# Altium PCB TEST-MODULE.PcbDoc
Units mm, origin at the board's own origin, x right, y up, seen from the top; angles counter-clockwise.
Board outline 70 x 70 mm, 2 copper layers (Top Layer, Bottom Layer), stack 1.571 mm thick; 37 components, 24 nets, 136 pads, 9 vias.
Unrouted connection lines stored in the file: 1.
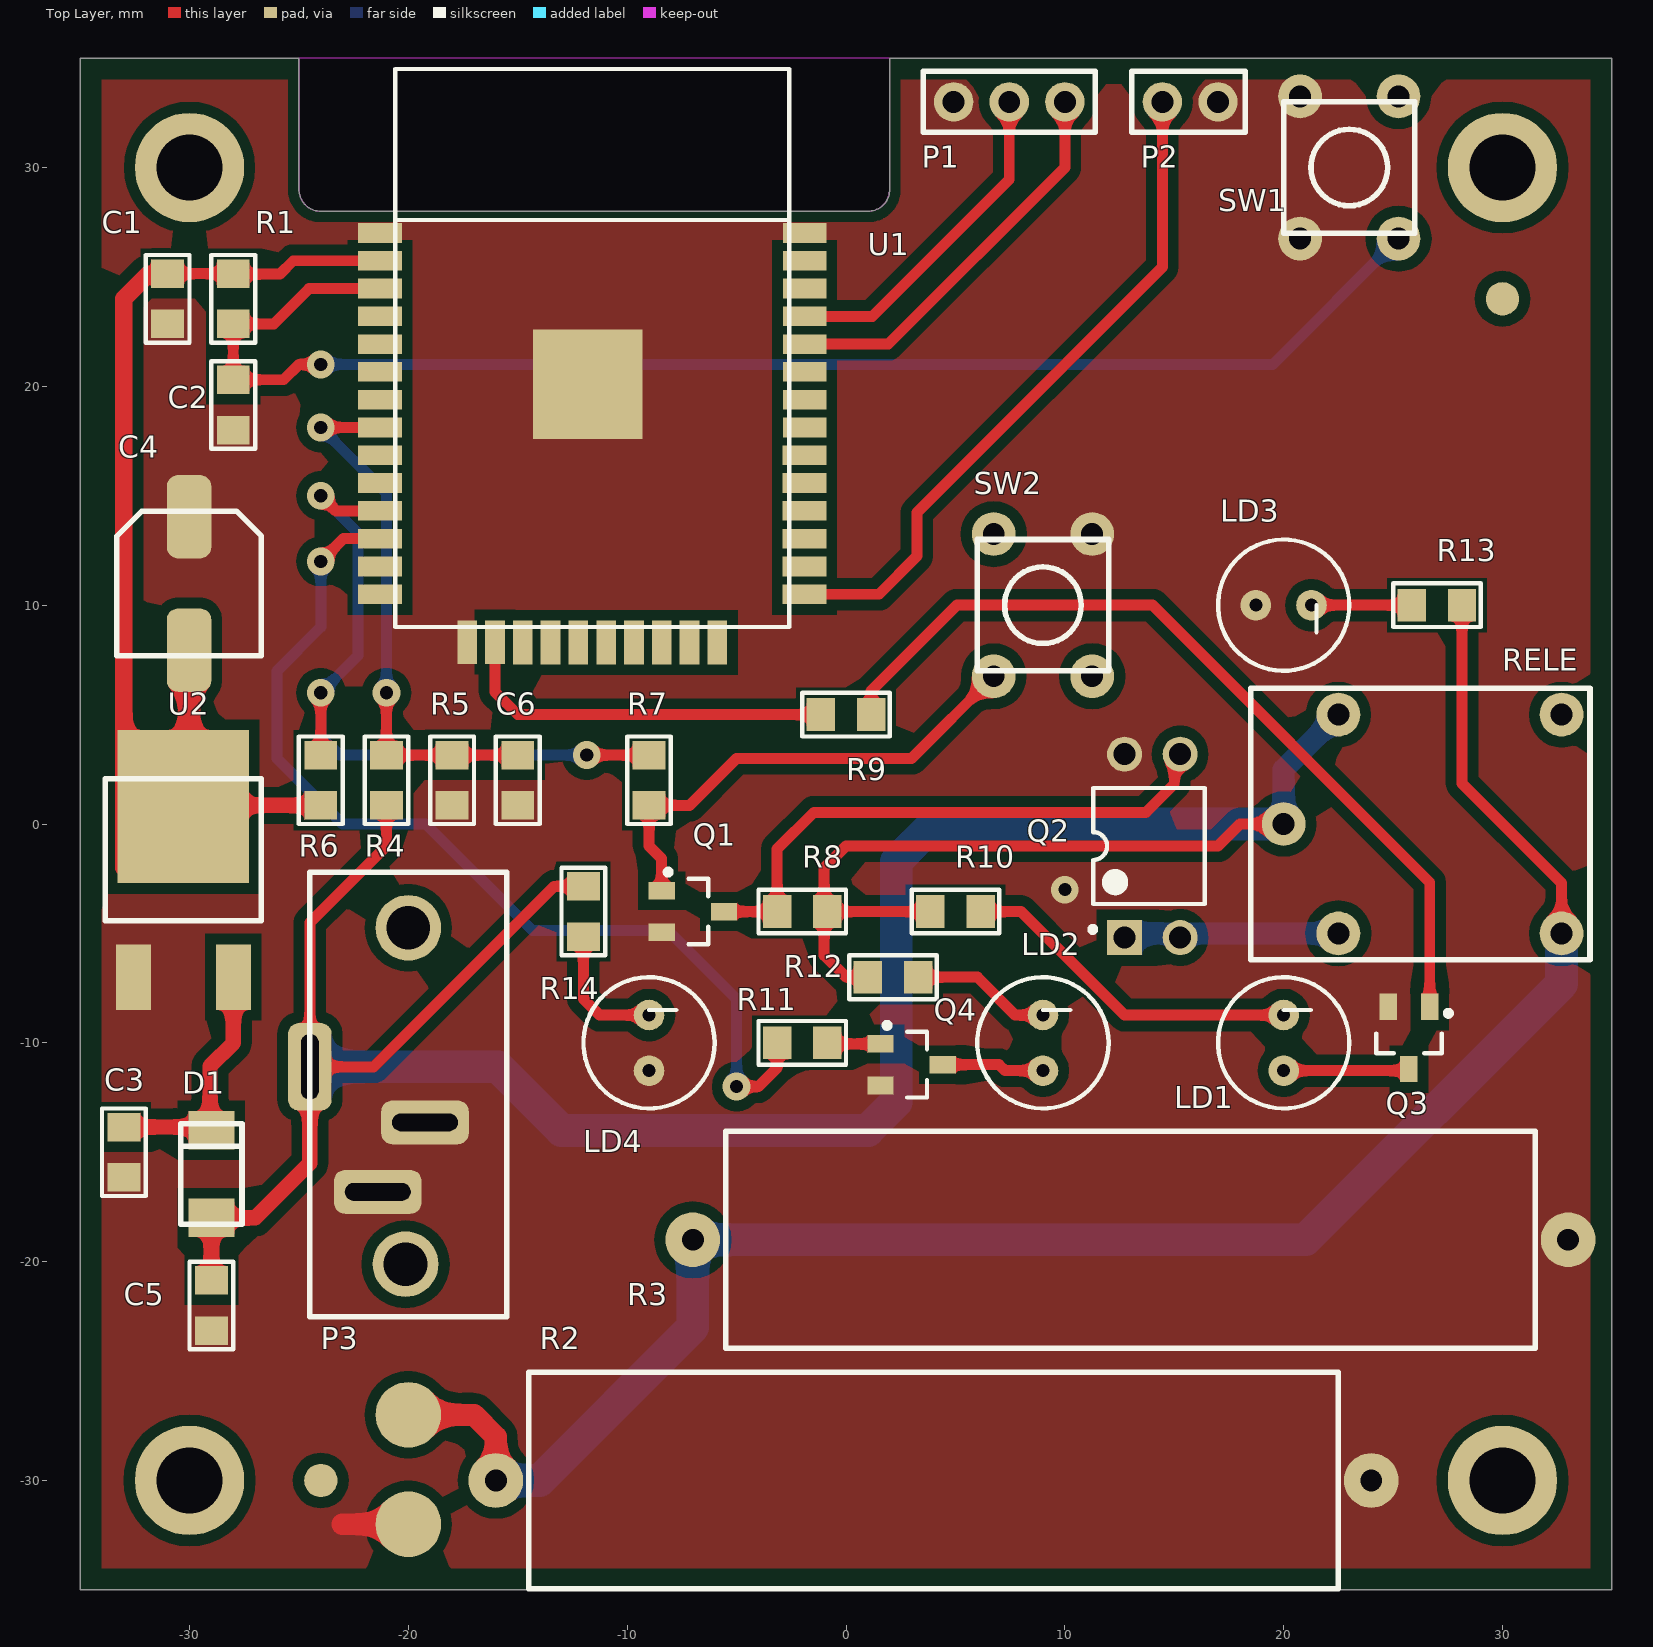
[diagram p0: Top Layer view]
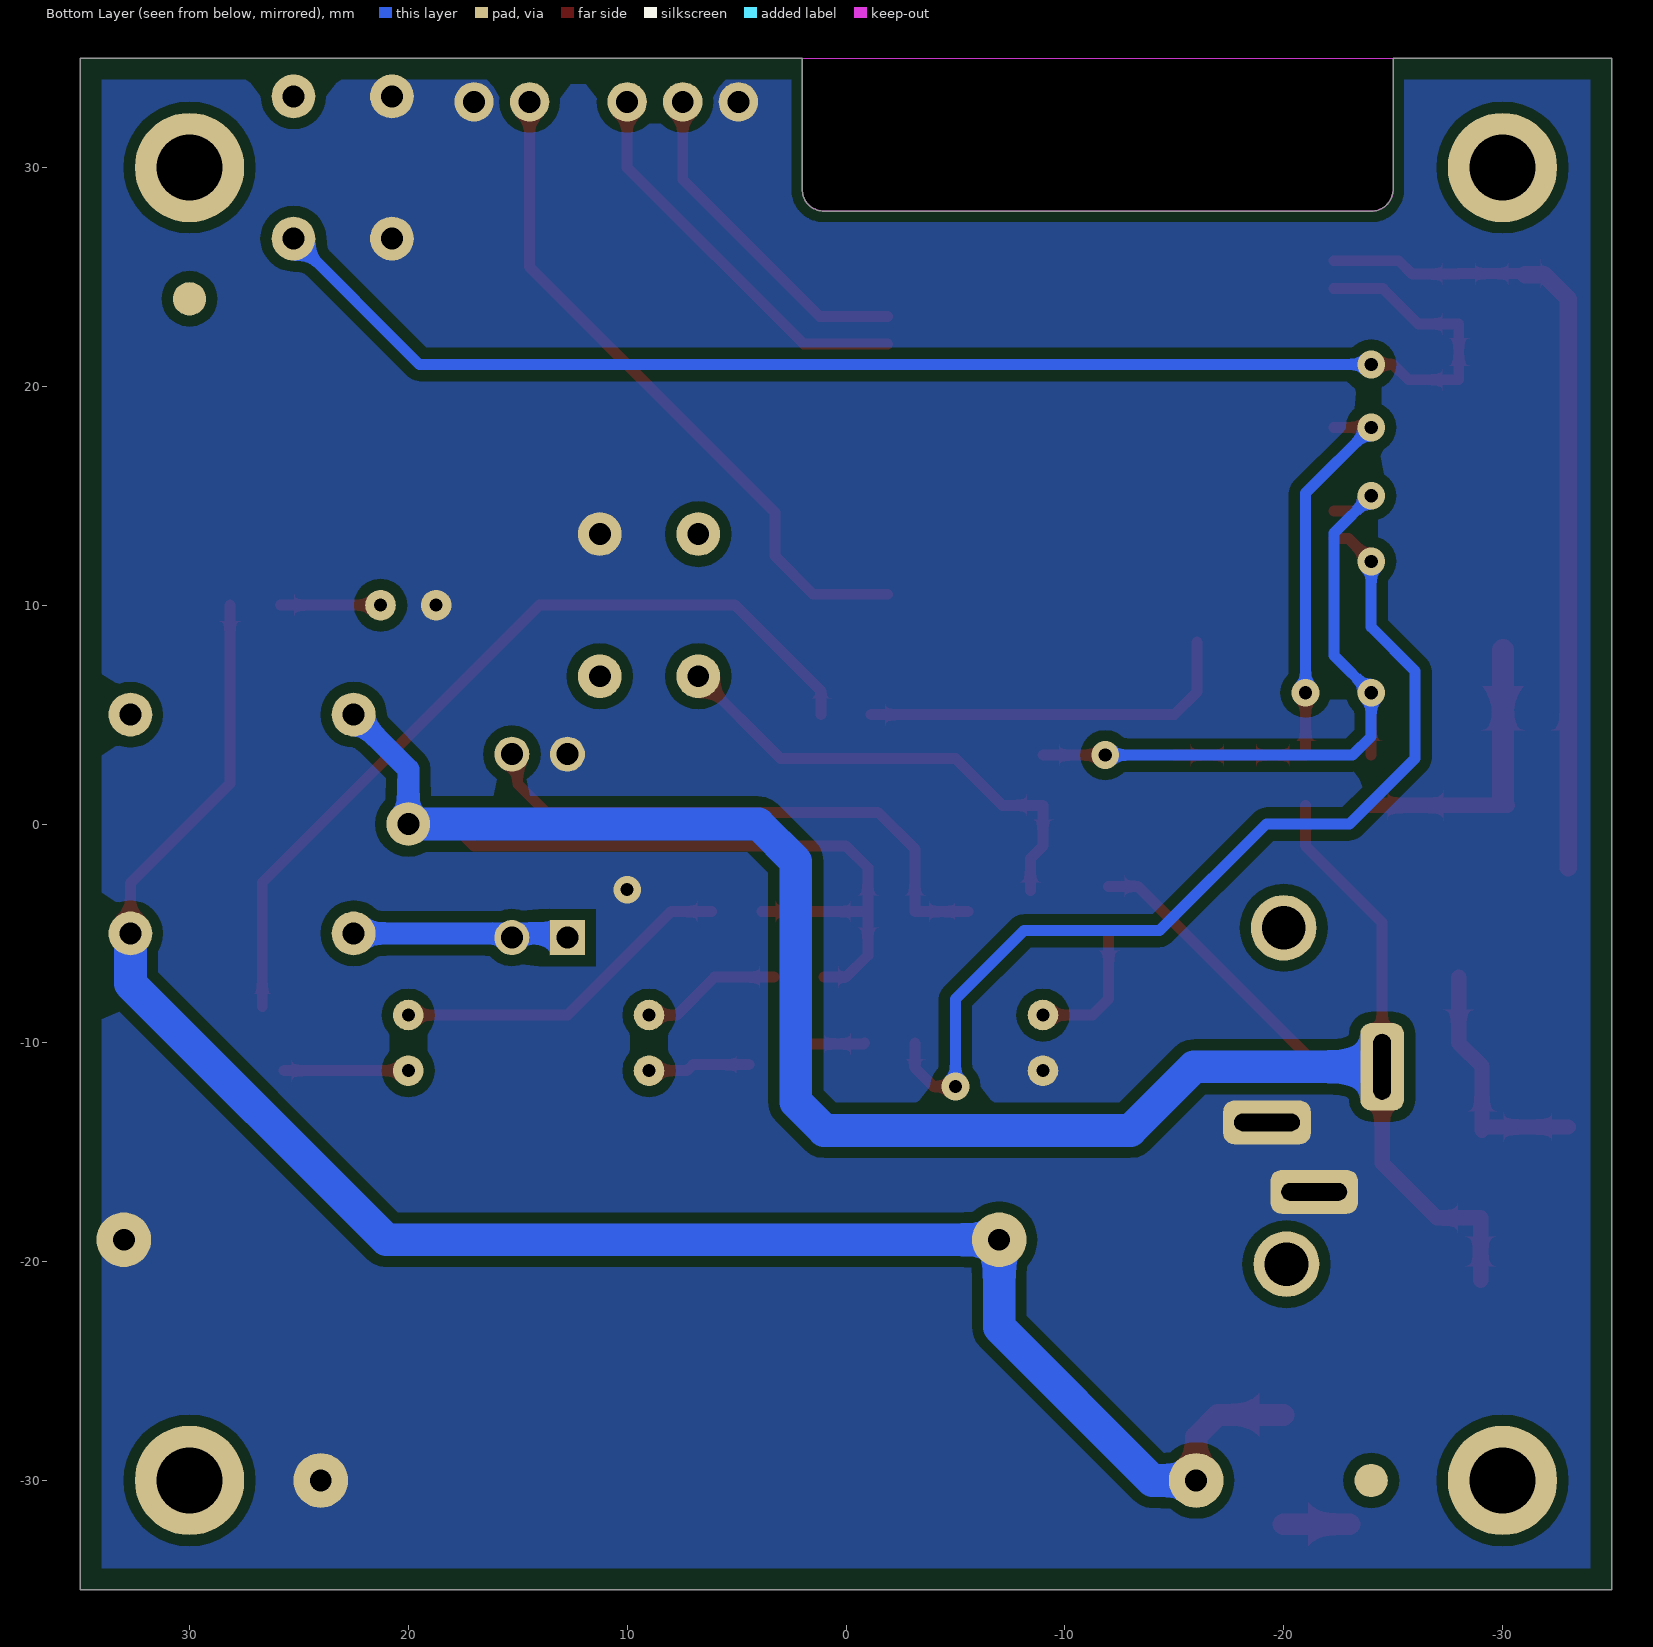
[diagram p1: Bottom Layer view, seen from below]

## Layer stack, top to bottom
Top Solder: solder mask 0.0102, Solder Resist, Dk 3.5
Top Layer: signal copper 0.0356
Dielectric 1: dielectric 1.5, FR-4, Dk 4.8
Bottom Layer: signal copper 0.0356
Bottom Solder: solder mask 0.0102, Solder Resist, Dk 3.5

## Board outline
-35,-35 -35,35 -25,35 -25,29 ccw(c-24,29) -24,28 1,28 ccw(c1,29) 2,29 2,35 35,35 35,-35
cut-out: -25,29 ccw(c-24,29) -24,28 1,28 ccw(c1,29) 2,29 2,35 -25,35

## Design rules (kind name [scope] priority, off if disabled: settings)
Clearance [All] p1: gap=0.254 ignorepadtopadclearanceinfootprint=FALSE except(0: Arc-Hole Track-Hole SMDPad-Hole THPad-Hole Via-Hole Fill-Hole Poly-Hole Region-Hole Text-Hole; 0.5: Arc-Fill Arc-Poly Arc-Region Track-Fill Track-Poly Track-Region SMDPad-Fill SMDPad-Poly SMDPad-Region THPad-Fill THPad-Poly THPad-Region Via-Fill Via-Poly Via-Region Fill-Fill Fill-Poly Fill-Region Poly-Poly Poly-Region Region-Region)
PlaneConnect [All] p1: planeconnectstyle=Direct reliefexpansion=0.508 reliefentries=4 reliefconductorwidth=0.254 reliefairgap=0.254
PolygonConnect [All] p1: connectstyle=Direct reliefconductorwidth=0.254 reliefentries=4 polygonreliefangle="90 Angle" airgapwidth=0.254
RoomDefinition TEST-MODULE [InComponentClass('TEST-MODULE')] p1: confinementstyle=ConfineIn formatcopy=TRUE lockcomponents=FALSE outline 79.375,-50.673 349.25,-50.673 349.25,-4.953 79.375,-4.953
RoutingVias [All] p1: holewidth=0.711 width=1.27 viastyle="Through Hole" minholewidth=0.711 minwidth=1.27 maxholewidth=0.711 maxwidth=1.27
SolderMaskExpansion [All] p1: expansion=0.102
Width [All] p1: maxlimit=5 minlimit=0.254 preferedwidth=0.5
29 further rules are at their usual default settings.

## Components (designator, comment, footprint, x,y, rotation, side; value= is the part's Value field where it differs from the comment)
C1 "100NFX50V" CAP.SMD.0805 -31,24 r90 top
C2 "100NFX50V" CAP.SMD.0805 -28,19.15 r90 top
C3 "100NFX50V" CAP.SMD.0805 -33,-15 r90 top
C4 "100UFX16V" CAP-ELEC-SMD -30,11 r0 top
C5 "100NFX50V" CAP.SMD.0805 -29,-22 r90 top
C6 "100NFX50V" CAP.SMD.0805 -15,2 r90 top
D1 "M7 (1N4007)" Diode-SMD-SMA -29,-16 r270 top
LD1 "LED 5MM VERDE" LED-5MM-ALTO-9-VERDE 20,-10 r90 top
LD2 "LED 5MM ROJO" LED-5MM-ALTO-9-ROJO 9,-10 r90 top
LD3 "LED 5MM AZUL" LED-5MM-ALTO-9-AZUL 20,10 r0 top locked
LD4 "LED 5MM AZUL" LED-5MM-ALTO-9-AZUL -9,-10 r90 top locked
P1 "IDC-MA-THT-1X3-P2.54MM-L11" IDC-MA-THT-1X3-P2.54MM-L11 7.46,33 r270 top
P2 "IDC-MA-THT-1X2-P2.54MM-L11" IDC-MA-THT-1X2-P2.54MM-L11 14.46,33 r90 top
P3 "DC POWER JACK" "VAR-DC-JACK - VERT" -20,-5 r0 top
Q1 "BC817" NPN.SMD.SOT23 -7,-4 r0 top
Q2 "IRFD110" TRA-IRFD110 14,-1 r90 top
Q3 "BC817" NPN.SMD.SOT23 25.725,-9.775 r270 top
Q4 "BC817" NPN.SMD.SOT23 3,-11 r0 top
R1 "10K" RES.SMD.103 -28,24 r90 top
R2 "330E 5% 10W" RES-CERAMICA-10W 4,-30 r180 top
R3 "330E 5% 10W" RES-CERAMICA-10W 13,-19 r180 top
R4 "33K" RES.SMD.333 -21,2 r270 top
R5 "5.6K" RES.SMD.562 -18,2 r90 top
R6 "10K" RES.SMD.103 -24,2 r270 top
R7 "1K" RES.SMD.102 -9,2 r270 top
R8 "10K" RES.SMD.103 -2,-4 r0 top
R9 "10K" RES.SMD.103 0,5 r0 top
R10 "220E" RES.SMD.221 5,-4 r180 top
R11 "10K" RES.SMD.103 -2,-10 r180 top
R12 "220E" RES.SMD.221 2.15,-7 r180 top
R13 "220E" RES.SMD.221 27,10 r0 top
R14 "220E 5%" RES.SMD.221 -12,-4 r90 top
RELE "Relay simple inversor 12V 12A" "RELAY 12V 12A CHICO" 20,0 r270 top
SW1 "TACT-SWITCH-THT-4C-06X06(5MM)" TACT-SWITCH-THT-4C-06X06-5MM 23,30 r270 top
SW2 "TACT-SWITCH-THT-4C-06X06(13MM)-JIANFU" TACT-SWITCH-THT-4C-06X06-13MM 9,10 r90 top locked
U1 "ESP32-WROOM-32D" ESP32-WROOM-32D -12,20 r0 top
U2 "LD1117S33TR SMD DPAK 0.8A 3.3V LDO LINEAR REGULATOR" DPAK -30.285,-2 r0 top

## Footprints (in the part's own frame and the unit in brackets; to place one, negate y for a bottom-side part, rotate by r counter-clockwise, add the part's x,y. Pads: shape width x height; smd on the part's side, far side on the other; paste and mask are expansions set on the pad)
CAP-ELEC-SMD [mil] "CAP-ELEC-SMD-100UFX16V"
  rrect50% 80x150 smd: 1(-0.83,119.76) 2(-0.83,-120.24)
  silkscreen extent -131,-130 129,130, body extent -128,-152 128,152, height 217
CAP.SMD.0805 [mm] "COG 10% CER.MULT. SMD 0805"
  rect 1.3x1.5 smd: 1(-1.15,0) 2(1.15,0)
  silkscreen extent -2,-1 2,1, body extent -1.1,-0.69 1.1,0.76, height 0.88
Diode-SMD-SMA [mm] "Diode-SMD-SMA"
  rect 1.75x2.1 smd: A(2,0) K(-2,0)
  silkscreen extent -2.3,-1.4 2.3,1.4, body extent -2.64,-1.52 2.64,1.4, height 2.41
DPAK [mm] "DPAK"
  rect 1.6x3 smd: 1(-2.285,-5) 3(2.285,-5)
  rect 6x7 smd: 2(0,2.794)
  silkscreen extent -3.56,-2.41 3.56,4.06, body extent -3.36,-5.21 3.36,5.21, height 2.39
ESP32-WROOM-32D [mm] "ESP32-WROOM-32D"
  rect 2x0.9 smd: 1(-9.29,7.01) 2(-9.29,5.74) 3(-9.29,4.47) 4(-9.29,3.2) 5(-9.29,1.93) 6(-9.29,0.66) 7(-9.29,-0.61) 8(-9.29,-1.88) 9(-9.3,-3.15) 10(-9.3,-4.42) 11(-9.3,-5.69) 12(-9.3,-6.96) 13(-9.3,-8.23) 14(-9.3,-9.5) 25(10.1,-9.5) 26(10.1,-8.23) 27(10.1,-6.96) 28(10.1,-5.69) 29(10.1,-4.42) 30(10.1,-3.15) 31(10.11,-1.88) 32(10.11,-0.61) 33(10.11,0.66) 34(10.11,1.93) 35(10.11,3.2) 36(10.11,4.47) 37(10.11,5.74) 38(10.11,7.01)
  rect 0.9x2 smd: 15(-5.31,-11.69) 16(-4.04,-11.69) 17(-2.77,-11.7) 18(-1.5,-11.7) 19(-0.23,-11.7) 20(1.04,-11.7) 21(2.31,-11.7) 22(3.58,-11.7) 23(4.85,-11.7) 24(6.12,-11.7)
  rect 5x5 smd: 39(0.2,0.1)
  silkscreen extent -8.6,-11 9.4,14.5, body extent -8.49,-11.1 9.51,14.4, height 2.91
IDC-MA-THT-1X2-P2.54MM-L11 [mm] "IDC-MA-THT-1X2-P2.54MM-L11"
  round 1.8 hole 1: 1(0,0) 2(0,-2.54)
  silkscreen extent -1.4,-3.79 1.4,1.4, body extent -1.25,-3.79 1.25,1.25, height 9.54
IDC-MA-THT-1X3-P2.54MM-L11 [mm] "IDC-MA-THT-1X3-P2.54MM-L11"
  round 1.8 hole 1: 1(0,2.54) 2(0,0) 3(0,-2.54)
  silkscreen extent -1.4,-3.94 1.4,3.94, body extent -1.25,-3.79 1.25,3.79, height 9.54
LED-5MM-ALTO-9-AZUL [mm] "LED-5MM-ALTO-9-AZUL"
  round 1.4 hole 0.6: A(1.27,0) K(-1.27,0)
  silkscreen extent -3,-3 3,3, body extent -2.9,-2.9 2.9,2.9, height 15.7
LED-5MM-ALTO-9-ROJO [mm] "LED-5MM-ALTO-9-ROJO"
  round 1.4 hole 0.6: A(1.27,0) K(-1.27,0)
  silkscreen extent -3,-3 3,3, body extent -2.9,-2.9 2.9,2.9, height 15.7
LED-5MM-ALTO-9-VERDE [mm] "LED-5MM-ALTO-9-VERDE"
  round 1.4 hole 0.6: A(1.27,0) K(-1.27,0)
  silkscreen extent -3,-3 3,3, body extent -2.9,-2.9 2.9,2.9, height 15.7
NPN.SMD.SOT23 [mm] "Transistor NPN 0.25W SOT23"
  rect 1.2x0.8 smd: 1(-1.425,0.95) 2(-1.425,-0.95) 3(1.425,0)
  silkscreen extent -1.25,-1.5 0.7,1.92, body extent -1.37,-1.52 1.27,1.52, height 0.94
"RELAY 12V 12A CHICO" [mm] "RELAY 12V 12A CHICO"
  round 2 hole 1: 1(-5,2.5) 2(5,2.5) 3(0,0) 4(5,12.7) 5(-5,12.7)
  silkscreen extent -6.2,-1.5 6.2,14, body extent -6,-1.3 6,14, height 13.1
RES-CERAMICA-10W [mm] "Resistenci ceramica 10W"
  round 2.5 hole 1: 1(-20,0) 2(20,0)
  silkscreen extent -18.5,-4.95 18.5,4.95, body extent -20.4,-4.75 20.4,4.75, height 9.5
RES.SMD.102 [mm] "5% 0805 1/8W RES.SMD"
  rect 1.3x1.5 smd: 1(-1.15,0) 2(1.15,0)
  silkscreen extent -2,-1 2,1, body extent -0.87,-0.62 1.13,0.63, height 0.48
RES.SMD.103 [mm] "5% 0805 1/8W RES.SMD"
  rect 1.3x1.5 smd: 1(-1.15,0) 2(1.15,0)
  silkscreen extent -2,-1 2,1, body extent -0.87,-0.62 1.13,0.63, height 0.48
RES.SMD.221 [mm] "5% 0805 1/8W RES.SMD"
  rect 1.3x1.5 smd: 1(-1.15,0) 2(1.15,0)
  silkscreen extent -2,-1 2,1, body extent -0.87,-0.62 1.13,0.63, height 0.48
RES.SMD.333 [mm] "5% 0805 1/8W RES.SMD"
  rect 1.3x1.5 smd: 1(-1.15,0) 2(1.15,0)
  silkscreen extent -2,-1 2,1, body extent -0.87,-0.62 1.13,0.63, height 0.48
RES.SMD.562 [mm] "5% 0805 1/8W RES.SMD"
  rect 1.3x1.5 smd: 1(-1.15,0) 2(1.15,0)
  silkscreen extent -2,-1 2,1, body extent -0.87,-0.62 1.13,0.63, height 0.48
TACT-SWITCH-THT-4C-06X06-5MM [mm] "TACT-SWITCH-THT-4C-06X06-5MM"
  round 2 hole 1: 1(-3.25,2.25) 2(3.25,2.25) 3(-3.25,-2.25) 4(3.25,-2.25)
  silkscreen extent -3,-3 3,3, body extent -3.94,-3 3.94,3, height 5
TACT-SWITCH-THT-4C-06X06-13MM [mm] "TACT-SWITCH-THT-4C-06X06-13MM"
  round 2 hole 1: 1(-3.25,2.25) 2(3.25,2.25) 3(-3.25,-2.25) 4(3.25,-2.25)
  silkscreen extent -3,-3 3,3, body extent -3.94,-3 3.94,3, height 13
TRA-IRFD110 [mm] "TRA-IRFD110"
  rect 1.6x1.6 hole 1: 1(-4.191,1.27)
  round 1.6 hole 1: 2(-4.191,-1.27) 3(4.191,-1.27) 4(4.191,1.27)
  silkscreen extent -3.94,-2.4 2.64,2.85, body extent -4.3,-2.5 4.3,2.5, height 4.62
"VAR-DC-JACK - VERT" [mm] "VAR-DC-JACK-VERT"
  rrect50% 2x4 hole 0.8 slot 3 at 90 deg: 1(-4.5,-6.096)
  rrect50% 4x2 hole 0.8 slot 3 at 0 deg: 2(-1.397,-11.811) 3(0.762,-8.636)
  round 3 hole 2: 31(0,0.254) 32(-0.127,-15.113)
  silkscreen extent -4.5,-17.53 4.5,2.79, body extent -4.55,-17.26 4.45,2.54, height 11.6

## Part data
C1 C2 C3 C5 C6: library part "Capacitor 100NFX50V X7R 10% CER.MULT. SMD 0805", "100NFX50V X7R 10% CER.MULT. SMD 0805", COD. ELEMON=CA3279774, COD. FV=CE.CAP.0008
C4: library part "Capacitor Electrolitico SMD 100UFX16V 20%. 6.3x5.3 ELE.RAD.SMD [R=]", "100UFX16V 20%. 6.3x5.3 ELE.RAD.SMD [R=]", COD. ELEMON=CA3629130, COD. FV=CE.CAP.0006
D1: library part "Diodo M7 DIODO 1A 1000V SMD-SMA (1N4007) XYG", "M7 DIODO 1A 1000V SMD-SMA (1N4007) XYG", COD. ELEMON=DI1202221
LD1: library part "LED 5MM VERDE ALTO 9", "LED 5MM VERDE ALTO 9"
LD2: library part "LED 5MM ROJO ALTO 9", "LED 5MM ROJO ALTO 9"
LD3 LD4: library part "LED 5MM AZUL ALTO 9", "LED 5MM AZUL ALTO 9"
P3: library part "DC POWER JACK VERTICAL 2MM", "DC POWER JACK VERTICAL 2MM"
Q1 Q3 Q4: library part "Transistor BC817-40 TRA.NPN 45V0.5A 0.25W SOT23", "BC817-40 TRA.NPN 45V0.5A 0.25W SOT23", COD. ELEMON=TR1723020, COD. FV=CE.TRA.0002
Q2: library part "Transistor MOSFET N IRFD110", "Transistor MOSFET N IRFD110", COD. FV=CE.TRA.0003
R1 R6 R8 R9 R11: library part "Resistencia 10K 5% 0805 1/8W", "10K 5% 0805 1/8W RES.SMD", COD. ELEMON=RS3896245, COD. FV=CE.RES.0014
R2 R3: library part "Resistencia Ceramica 330E 5% 10W SE15 RES.CEM", "Resistencia Ceramica 330E 5% 10W SE15 RES.CEM", COD. ELEMON=RS4096155
R4: library part "Resistencia 33K 5% 0805 1/8W", "33K 5% 0805 1/8W RES.SMD", COD. ELEMON=RS3896275, COD. FV=CE.RES.0015
R5: library part "Resistencia 5.6K 5% 0805 1/8W", "5.6K 5% 0805 1/8W RES.SMD", COD. ELEMON=RS3896230
R7: library part "Resistencia 1K 5% 0805 1/8W", "1K 5% 0805 1/8W RES.SMD", COD. ELEMON=RS3896185, COD. FV=CE.RES.0012
R10 R12 R13 R14: library part "Resistencia 220E 5% 0805 1/8W", "220E 5% 0805 1/8W RES.SMD", COD. ELEMON=RS3896145
RELE: library part "VAR-RELE-12V Relay simple inversor chico 12V 12A"
P1 P2: COD. ELEMON=CO496C20
SW1: COD. ELEMON=SW5702101
SW2: COD. ELEMON=SW5702124
U1: COD. ELEMON=RF9301435

## Free pads (board coordinates)
  round 5 hole 3: 0(-30,-30) 0(-30,30) 0(30,-30) 0(30,30)
  round 1.524 all layers, no hole mask+1: 12(-24,-30) 12(30,24)
  round 3 smd: 13(-20,-32) 13(-20,-27)

## Via types
v1: diameter 1.27, hole 0.6, Top Layer to Bottom Layer, 9 vias

## Nets (pads, with @x,y where several pads share a name; then routed paths per layer and width w, separated by ;. In a path a pad name is that pad's centre, name@x,y a point inside that pad or via, vN(x,y) a via of type N, cw(c..) or ccw(c..) an arc to the next point about the centre after c; other vN are vias at no path point)
3V3: C1.2 C4.2 R1.2 R6.2 U1.2 U2.2 | length 50.9
  Top Layer w0.5: C1.2 R1.2 ; U2.2 -30.229,0.85 U2.2@-30.021,1.058 ; R1.2@-28,25.127 -25.873,25.127 -25.26,25.74 U1.2@-22.29,25.74
  Top Layer w0.7: U2.2@-30.229,0.85 R6.2
  Top Layer w0.8: U2.2@-33,-2 -33,24 -31.9,25.1 C1.2@-31.037,25.1
  Top Layer w1: U2.2@-30.021,1.058 C4.2
12V: C5.2 D1.A P3.1 R4.2 R8.2 R10.2 R12.2 R14.2 RELE.1 RELE.3 | length 139.2
  Top Layer w0.5: R4.2 -21,-1 -24.5,-4.5 P3.1 -21.596,-11.096 -13.35,-2.85 R14.2 ; R12.2 0,-7 -1,-6 R8.2@-1,-4.15 ; R10.2 R8.2 R8.2@-1,-4.15 ; RELE.3 18,0 17,-1 0,-1 -1,-2 R8.2@-1,-4.15
  Top Layer w0.7: C5.2 D1.A -27,-18 -24.5,-15.5 P3.1
  Bottom Layer w1: RELE.3 20,2.5 RELE.1
  Bottom Layer w1.5: P3.1 -15.904,-11.096 -13,-14 1,-14 2.3,-12.7 2.3,-1.7 4,0 RELE.3
ACT: R6.1 R7.1 U1.11 | length 32.6
  Top Layer w0.5: R6.1 v1(-24,6) ; v1(-24,15) -23.31,14.31 U1.11@-22.3,14.31 ; v1(-11.85,3.15) R7.1
  Bottom Layer w0.5: v1(-24,15) -22.3,13.3 -22.3,7.7 v1(-24,6) -24,4 -23.15,3.15 v1(-11.85,3.15)
EN: C2.2 R1.1 SW1.1 SW1.2 U1.3 | length 64.9
  Top Layer w0.5: v1(-24,21) -25,21 -25.7,20.3 C2.2 R1.1 -26.15,22.85 -24.53,24.47 U1.3@-22.29,24.47
  Bottom Layer w0.5: v1(-24,21) 19.5,21 SW1.2
GND: C1.1 C2.1 C3.1 C4.1 C5.1 C6.1 LD3.K LD4.K P1.3 P2.2 P3.2 P3.3 Q1.2 Q2.4 Q3.2 Q4.2 R2.1 R3.1 R5.1 SW1.3 SW1.4 SW2.4 U1.1 U1.15 U1.38 U1.39 U2.1 | length 3
  Top Layer w1: -23,-32 -20,-32
  other v1: 10,-3
IO0: P2.1 U1.25 | length 31.3
  Top Layer w0.5: U1.25 1.5,10.5 3.24,12.24 3.24,14.24 14.46,25.46 P2.1
NetC3_2: C3.2 D1.K U2.3 | length 11.4
  Top Layer w0.5: D1.K@-29.213,-13.85 D1.K@-29.063,-14
  Top Layer w0.7: C3.2 D1.K@-29.213,-13.85 ; D1.K@-29.063,-14 -29.063,-11.063 -28,-10 U2.3
NetLD1_A: LD1.A R10.1 | length 15.8
  Top Layer w0.5: R10.1 8,-4 12.73,-8.73 LD1.A
NetLD1_K: LD1.K Q3.3 | length 5.7
  Top Layer w0.5: LD1.K Q3.3@25.675,-11.27
NetLD2_A: LD2.A R12.1 | length 6.4
  Top Layer w0.5: R12.1 6,-7 7.73,-8.73 LD2.A
NetLD2_K: LD2.K Q4.3 | length 4.7
  Top Layer w0.5: Q4.3 7,-11 7.27,-11.27 LD2.K
NetLD3_A: LD3.A R13.1 | length 4.6
  Top Layer w0.5: LD3.A R13.1
NetLD4_A: LD4.A R14.1 | length 6.2
  Top Layer w0.5: R14.1 -12,-8 -11.27,-8.73 LD4.A
NetQ1_1: Q1.1 R7.2 SW2.1 | length 22.3
  Top Layer w0.5: Q1.1 -8.425,-1.575 -9,-1 R7.2 -7.15,0.85 -5,3 3,3 SW2.1
NetQ1_3: Q1.3 Q2.3 R8.1 | length 26.2
  Top Layer w0.5: Q1.3 R8.1 -3.15,-1.15 -1.465,0.535 13.701,0.535 15,1.834 Q2.3@15,3.382
NetQ2_1: Q2.1 Q2.2 RELE.2 | length 10
  Bottom Layer w1: Q2.1@12.46,-5 RELE.2
NetQ3_1: Q3.1 R9.2 | length 39.2
  Top Layer w0.5: R9.2 1.15,6.08 5.07,10 14,10 26.675,-2.675 Q3.1
NetQ4_1: Q4.1 R11.1 | length 2.4
  Top Layer w0.5: R11.1 -0.8,-10.05 Q4.1
rele_out: pad.13@-20,-27 R2.2 R3.2 R13.2 RELE.4 | length 86
  Top Layer w0.5: R13.2 28.15,1.85 32.7,-2.7 RELE.4
  Top Layer w1: pad.13@-20,-27 -17,-27 -16,-28 R2.2
  Bottom Layer w1.5: R2.2 -14,-30 -7,-23 R3.2 21,-19 32.7,-7.3 RELE.4
ROJO: R11.2 U1.12 | length 44.9
  Top Layer w0.5: v1(-24,12) -22.96,13.04 U1.12@-22.3,13.04 ; v1(-5,-12) -4,-12 -3.15,-11.15 R11.2
  Bottom Layer w0.5: v1(-24,12) -24,9 -26,7 -26,3 -23,0 -19.206,0 -14.333,-4.873 -8.127,-4.873 -5,-8 v1(-5,-12)
RX: P1.1 U1.34 | length 18.2
  Top Layer w0.5: U1.34 1.93,21.93 10,30 P1.1
TX: P1.2 U1.35 | length 15.5
  Top Layer w0.5: U1.35 1.2,23.2 7.46,29.46 P1.2
VERDE: R9.1 U1.16 | length 17.6
  Top Layer w0.5: U1.16 -16.04,6.04 -15,5 R9.1
VIN: C6.2 R4.1 R5.2 U1.8 | length 23.9
  Top Layer w0.5: v1(-24,18.12) U1.8@-22.29,18.12 ; v1(-21,6) R4.1 R5.2 C6.2
  Bottom Layer w0.5: v1(-24,18.12) -21,15.12 v1(-21,6)
pads on no net: P3.31 P3.32 RELE.5 SW2.2 SW2.3 U1.4 U1.5 U1.6 U1.7 U1.9 U1.10 U1.13 U1.14 U1.17 U1.18 U1.19 U1.20 U1.21 U1.22 U1.23 U1.24 U1.26 U1.27 U1.28 U1.29 U1.30 U1.31 U1.32 U1.33 U1.36 U1.37

## Polygon pours and split planes (outlines as drawn)
GND on Bottom Layer "Top Layer-No Net" (solid, pour order 2): -34,34 34,34 34,-34 -34,-34
GND on Top Layer "Top Layer-No Net" (solid, pour order 4): -34,34 34,34 34,-34 -34,-34

## Silkscreen, mask and mechanical layers (free items; w line width, h text height)
Mechanical 1:
  the board outline again, w0.254